# Altium PCB amp.PcbDoc (part 1 of 20)
Units mm, origin at the board's own origin, x right, y up, seen from the top; angles counter-clockwise.
Board outline 210 x 210 mm, 2 copper layers (Top Layer, Bottom Layer); 742 components, 1354 nets, 6402 pads, 5154 vias.
Unrouted connection lines stored in the file: 702.
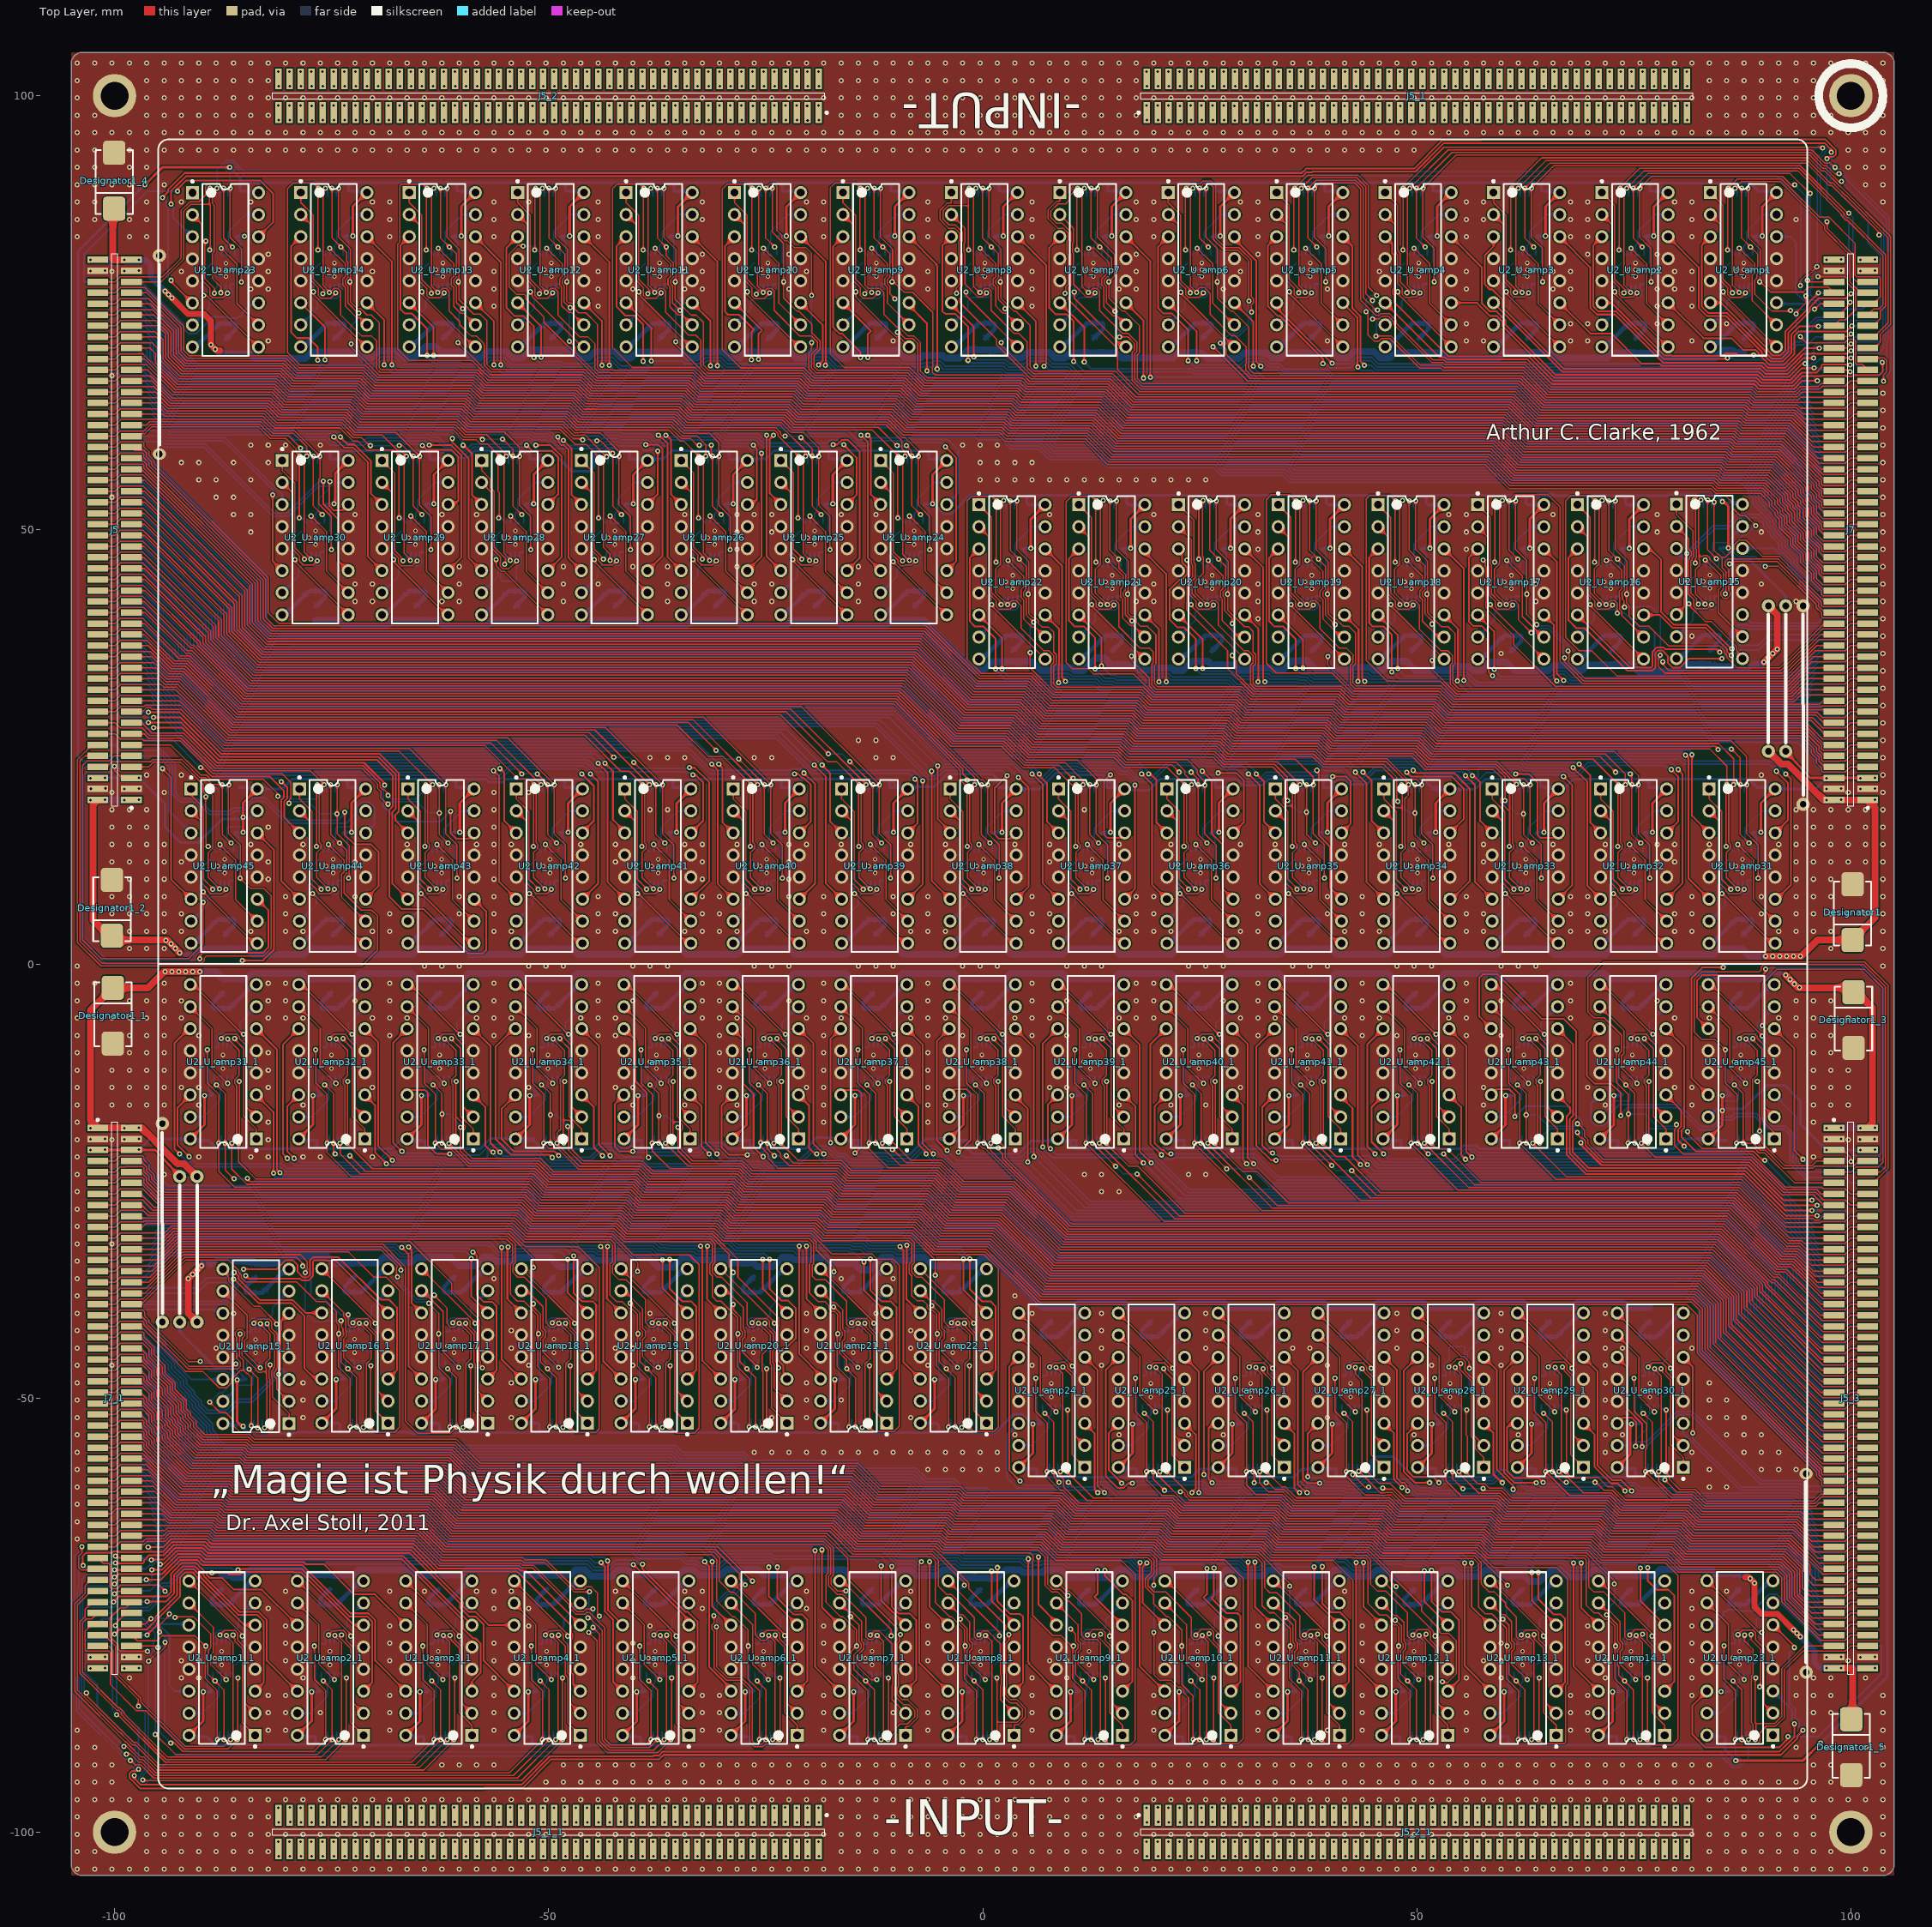
[diagram p0: Top Layer view]
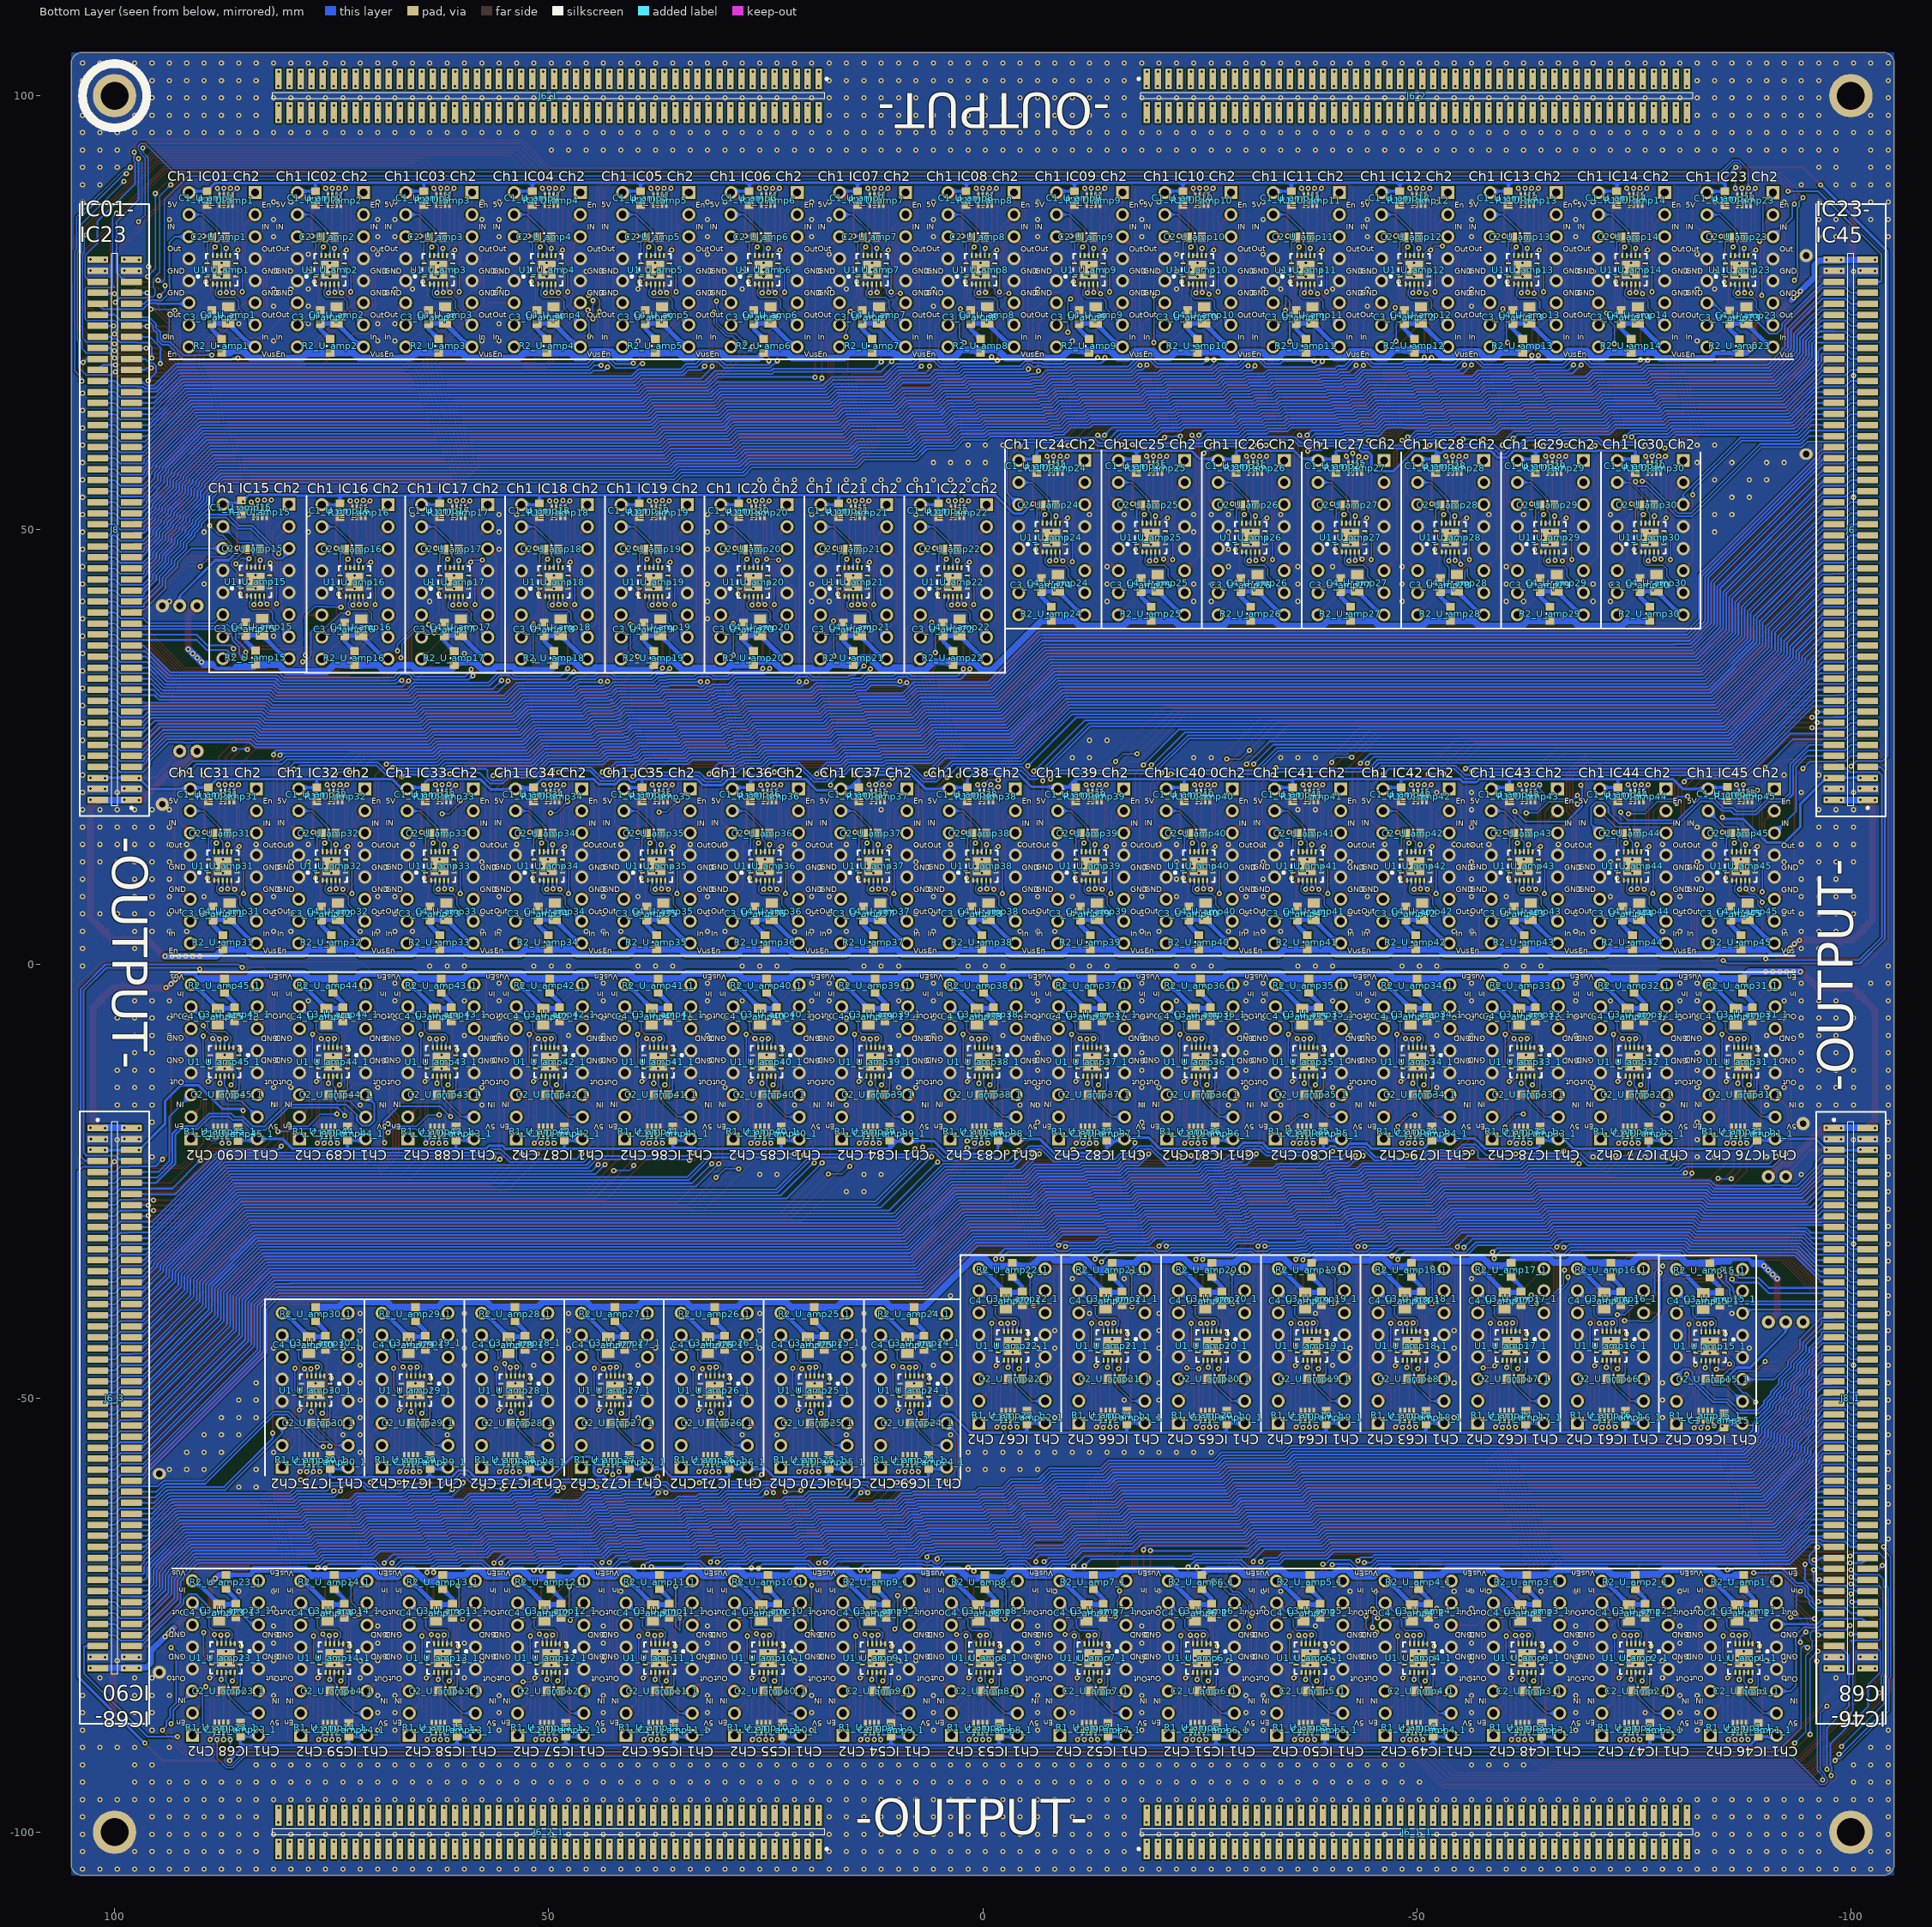
[diagram p1: Bottom Layer view, seen from below]

## Layer stack, top to bottom
Top Solder: solder mask 0.0102, Solder Resist, Dk 3.5
Top Layer: signal copper 0.0356
Dielectric 1: dielectric 0.32, FR-4, Dk 4.8
Bottom Layer: signal copper 0.0356
Bottom Solder: solder mask 0.0102, Solder Resist, Dk 3.5

## Board outline
-105,-103.73 -105,103.73 cw(c-103.73,103.73) -103.73,105 103.73,105 cw(c103.73,103.73) 105,103.73 105,-103.73 cw(c103.73,-103.73) 103.73,-105 -103.73,-105 cw(c-103.73,-103.73)

## Design rules (kind name [scope] priority, off if disabled: settings)
Clearance [All] p1: gap=0.15 ignorepadtopadclearanceinfootprint=FALSE
ComponentClearance [All] p1 off: gap=0.254 collisioncheckmode=3 verticalgap=0.254 showdistances=FALSE
PlaneConnect [All] p1: planeconnectstyle=Direct reliefexpansion=0.508 reliefentries=4 reliefconductorwidth=0.254 reliefairgap=0.254
PolygonConnect [All] p1: connectstyle=Direct reliefconductorwidth=0.254 reliefentries=4 polygonreliefangle="90 Angle" airgapwidth=0.15
RoomDefinition U_amp_45 [InComponentClass('U_amp2')] p1: confinementstyle=ConfineIn formatcopy=TRUE lockcomponents=FALSE outline -69.892,-69.106 -80.382,-69.106 -80.382,-91.007 -69.892,-91.007
RoomDefinition U_amp_44 [InComponentClass('U_amp3')] p2: confinementstyle=ConfineIn formatcopy=TRUE lockcomponents=FALSE outline -57.402,-69.106 -67.892,-69.106 -67.892,-91.007 -57.402,-91.007
RoomDefinition U_amp_43 [InComponentClass('U_amp4')] p3: confinementstyle=ConfineIn formatcopy=TRUE lockcomponents=FALSE outline -44.912,-69.106 -55.402,-69.106 -55.402,-91.007 -44.912,-91.007
RoomDefinition U_amp_42 [InComponentClass('U_amp5')] p4: confinementstyle=ConfineIn formatcopy=TRUE lockcomponents=FALSE outline -32.422,-69.106 -42.912,-69.106 -42.912,-91.007 -32.422,-91.007
RoomDefinition U_amp_41 [InComponentClass('U_amp6')] p5: confinementstyle=ConfineIn formatcopy=TRUE lockcomponents=FALSE outline -19.931,-69.106 -30.422,-69.106 -30.422,-91.007 -19.931,-91.007
RoomDefinition U_amp_40 [InComponentClass('U_amp7')] p6: confinementstyle=ConfineIn formatcopy=TRUE lockcomponents=FALSE outline -7.441,-69.106 -17.931,-69.106 -17.931,-91.007 -7.441,-91.007
RoomDefinition U_amp_39 [InComponentClass('U_amp8')] p7: confinementstyle=ConfineIn formatcopy=TRUE lockcomponents=FALSE outline 5.049,-69.106 -5.441,-69.106 -5.441,-91.007 5.049,-91.007
RoomDefinition U_amp_38 [InComponentClass('U_amp9')] p8: confinementstyle=ConfineIn formatcopy=TRUE lockcomponents=FALSE outline 17.539,-69.106 7.049,-69.106 7.049,-91.007 17.539,-91.007
RoomDefinition U_amp_37 [InComponentClass('U_amp10')] p9: confinementstyle=ConfineIn formatcopy=TRUE lockcomponents=FALSE outline 30.029,-69.106 19.539,-69.106 19.539,-91.007 30.029,-91.007
RoomDefinition U_amp_36 [InComponentClass('U_amp11')] p10: confinementstyle=ConfineIn formatcopy=TRUE lockcomponents=FALSE outline 42.52,-69.106 32.029,-69.106 32.029,-91.007 42.52,-91.007
RoomDefinition U_amp_35 [InComponentClass('U_amp12')] p11: confinementstyle=ConfineIn formatcopy=TRUE lockcomponents=FALSE outline 55.01,-69.106 44.52,-69.106 44.52,-91.007 55.01,-91.007
RoomDefinition U_amp_34 [InComponentClass('U_amp13')] p12: confinementstyle=ConfineIn formatcopy=TRUE lockcomponents=FALSE outline 67.5,-69.106 57.01,-69.106 57.01,-91.007 67.5,-91.007
RoomDefinition U_amp_33 [InComponentClass('U_amp14')] p13: confinementstyle=ConfineIn formatcopy=TRUE lockcomponents=FALSE outline 79.99,-69.106 69.5,-69.106 69.5,-91.007 79.99,-91.007
RoomDefinition U_amp_32 [InComponentClass('U_amp15')] p14: confinementstyle=ConfineIn formatcopy=TRUE lockcomponents=FALSE outline -78.47,-33.189 -88.961,-33.189 -88.961,-55.09 -78.47,-55.09
RoomDefinition U_amp_31 [InComponentClass('U_amp16')] p15: confinementstyle=ConfineIn formatcopy=TRUE lockcomponents=FALSE outline -67.072,-33.145 -77.562,-33.145 -77.562,-55.047 -67.072,-55.047
RoomDefinition U_amp_30 [InComponentClass('U_amp17')] p16: confinementstyle=ConfineIn formatcopy=TRUE lockcomponents=FALSE outline -55.582,-33.145 -66.072,-33.145 -66.072,-55.047 -55.582,-55.047
RoomDefinition U_amp_29 [InComponentClass('U_amp18')] p17: confinementstyle=ConfineIn formatcopy=TRUE lockcomponents=FALSE outline -44.092,-33.145 -54.582,-33.145 -54.582,-55.047 -44.092,-55.047
RoomDefinition U_amp_28 [InComponentClass('U_amp19')] p18: confinementstyle=ConfineIn formatcopy=TRUE lockcomponents=FALSE outline -32.602,-33.145 -43.092,-33.145 -43.092,-55.047 -32.602,-55.047
RoomDefinition U_amp_27 [InComponentClass('U_amp20')] p19: confinementstyle=ConfineIn formatcopy=TRUE lockcomponents=FALSE outline -21.111,-33.145 -31.602,-33.145 -31.602,-55.047 -21.111,-55.047
RoomDefinition U_amp_26 [InComponentClass('U_amp21')] p20: confinementstyle=ConfineIn formatcopy=TRUE lockcomponents=FALSE outline -9.621,-33.145 -20.111,-33.145 -20.111,-55.047 -9.621,-55.047
RoomDefinition U_amp_25 [InComponentClass('U_amp22')] p21: confinementstyle=ConfineIn formatcopy=TRUE lockcomponents=FALSE outline 1.869,-33.145 -8.621,-33.145 -8.621,-55.047 1.869,-55.047
RoomDefinition U_amp_24 [InComponentClass('U_amp23')] p22: confinementstyle=ConfineIn formatcopy=TRUE lockcomponents=FALSE outline 92.479,-69.085 81.989,-69.085 81.989,-90.987 92.479,-90.987
RoomDefinition U_amp_23 [InComponentClass('U_amp24')] p23: confinementstyle=ConfineIn formatcopy=TRUE lockcomponents=FALSE outline 13.195,-38.251 2.705,-38.251 2.705,-60.153 13.195,-60.153
RoomDefinition U_amp_22 [InComponentClass('U_amp25')] p24: confinementstyle=ConfineIn formatcopy=TRUE lockcomponents=FALSE outline 24.685,-38.251 14.195,-38.251 14.195,-60.153 24.685,-60.153
RoomDefinition U_amp_21 [InComponentClass('U_amp26')] p25: confinementstyle=ConfineIn formatcopy=TRUE lockcomponents=FALSE outline 36.175,-38.251 25.685,-38.251 25.685,-60.153 36.175,-60.153
RoomDefinition U_amp_20 [InComponentClass('U_amp27')] p26: confinementstyle=ConfineIn formatcopy=TRUE lockcomponents=FALSE outline 47.666,-38.251 37.175,-38.251 37.175,-60.153 47.666,-60.153
RoomDefinition U_amp_19 [InComponentClass('U_amp28')] p27: confinementstyle=ConfineIn formatcopy=TRUE lockcomponents=FALSE outline 59.156,-38.251 48.666,-38.251 48.666,-60.153 59.156,-60.153
RoomDefinition U_amp_18 [InComponentClass('U_amp29')] p28: confinementstyle=ConfineIn formatcopy=TRUE lockcomponents=FALSE outline 70.646,-38.251 60.156,-38.251 60.156,-60.153 70.646,-60.153
RoomDefinition U_amp_17 [InComponentClass('U_amp30')] p29: confinementstyle=ConfineIn formatcopy=TRUE lockcomponents=FALSE outline 82.136,-38.251 71.646,-38.251 71.646,-60.153 82.136,-60.153
RoomDefinition U_amp_16 [InComponentClass('U_amp31')] p30: confinementstyle=ConfineIn formatcopy=TRUE lockcomponents=FALSE outline -82.23,-0.418 -92.72,-0.418 -92.72,-22.32 -82.23,-22.32
RoomDefinition U_amp_15 [InComponentClass('U_amp32')] p31: confinementstyle=ConfineIn formatcopy=TRUE lockcomponents=FALSE outline -69.74,-0.418 -80.23,-0.418 -80.23,-22.32 -69.74,-22.32
RoomDefinition U_amp_14 [InComponentClass('U_amp33')] p32: confinementstyle=ConfineIn formatcopy=TRUE lockcomponents=FALSE outline -57.25,-0.418 -67.74,-0.418 -67.74,-22.32 -57.25,-22.32
RoomDefinition U_amp_13 [InComponentClass('U_amp34')] p33: confinementstyle=ConfineIn formatcopy=TRUE lockcomponents=FALSE outline -44.759,-0.418 -55.25,-0.418 -55.25,-22.32 -44.759,-22.32
RoomDefinition U_amp_12 [InComponentClass('U_amp35')] p34: confinementstyle=ConfineIn formatcopy=TRUE lockcomponents=FALSE outline -32.269,-0.418 -42.759,-0.418 -42.759,-22.32 -32.269,-22.32
RoomDefinition U_amp_11 [InComponentClass('U_amp36')] p35: confinementstyle=ConfineIn formatcopy=TRUE lockcomponents=FALSE outline -19.779,-0.418 -30.269,-0.418 -30.269,-22.32 -19.779,-22.32
RoomDefinition U_amp_10 [InComponentClass('U_amp37')] p36: confinementstyle=ConfineIn formatcopy=TRUE lockcomponents=FALSE outline -7.289,-0.418 -17.779,-0.418 -17.779,-22.32 -7.289,-22.32
RoomDefinition U_amp_9 [InComponentClass('U_amp38')] p37: confinementstyle=ConfineIn formatcopy=TRUE lockcomponents=FALSE outline 5.201,-0.418 -5.289,-0.418 -5.289,-22.32 5.201,-22.32
RoomDefinition U_amp_8 [InComponentClass('U_amp39')] p38: confinementstyle=ConfineIn formatcopy=TRUE lockcomponents=FALSE outline 17.692,-0.418 7.201,-0.418 7.201,-22.32 17.692,-22.32
RoomDefinition U_amp_7 [InComponentClass('U_amp40')] p39: confinementstyle=ConfineIn formatcopy=TRUE lockcomponents=FALSE outline 30.182,-0.418 19.692,-0.418 19.692,-22.32 30.182,-22.32
RoomDefinition U_amp_6 [InComponentClass('U_amp41')] p40: confinementstyle=ConfineIn formatcopy=TRUE lockcomponents=FALSE outline 42.672,-0.418 32.182,-0.418 32.182,-22.32 42.672,-22.32
RoomDefinition U_amp_5 [InComponentClass('U_amp42')] p41: confinementstyle=ConfineIn formatcopy=TRUE lockcomponents=FALSE outline 55.162,-0.418 44.672,-0.418 44.672,-22.32 55.162,-22.32
RoomDefinition U_amp_4 [InComponentClass('U_amp43')] p42: confinementstyle=ConfineIn formatcopy=TRUE lockcomponents=FALSE outline 67.652,-0.418 57.162,-0.418 57.162,-22.32 67.652,-22.32
RoomDefinition U_amp_3 [InComponentClass('U_amp44')] p43: confinementstyle=ConfineIn formatcopy=TRUE lockcomponents=FALSE outline 80.143,-0.418 69.652,-0.418 69.652,-22.32 80.143,-22.32
RoomDefinition U_amp_2 [InComponentClass('U_amp45')] p44: confinementstyle=ConfineIn formatcopy=TRUE lockcomponents=FALSE outline 92.633,-0.418 82.143,-0.418 82.143,-22.32 92.633,-22.32
RoomDefinition U_amp_1 [InComponentClass('U_amp1')] p45: confinementstyle=ConfineIn formatcopy=TRUE lockcomponents=FALSE outline -82.382,-69.106 -92.873,-69.106 -92.873,-91.007 -82.382,-91.007
RoomDefinition U_amp1 [InComponentClass('U_amp1')] p46: confinementstyle=ConfineIn formatcopy=FALSE lockcomponents=FALSE outline 82.382,69.106 92.873,69.106 92.873,91.007 82.382,91.007
RoomDefinition U_amp45 [InComponentClass('U_amp45')] p47: confinementstyle=ConfineIn formatcopy=FALSE lockcomponents=FALSE outline -92.633,0.418 -82.143,0.418 -82.143,22.32 -92.633,22.32
RoomDefinition U_amp44 [InComponentClass('U_amp44')] p48: confinementstyle=ConfineIn formatcopy=TRUE lockcomponents=FALSE outline -80.143,0.418 -69.652,0.418 -69.652,22.32 -80.143,22.32
RoomDefinition U_amp43 [InComponentClass('U_amp43')] p49: confinementstyle=ConfineIn formatcopy=TRUE lockcomponents=FALSE outline -67.652,0.418 -57.162,0.418 -57.162,22.32 -67.652,22.32
RoomDefinition U_amp42 [InComponentClass('U_amp42')] p50: confinementstyle=ConfineIn formatcopy=TRUE lockcomponents=FALSE outline -55.162,0.418 -44.672,0.418 -44.672,22.32 -55.162,22.32
RoomDefinition U_amp41 [InComponentClass('U_amp41')] p51: confinementstyle=ConfineIn formatcopy=TRUE lockcomponents=FALSE outline -42.672,0.418 -32.182,0.418 -32.182,22.32 -42.672,22.32
RoomDefinition U_amp40 [InComponentClass('U_amp40')] p52: confinementstyle=ConfineIn formatcopy=TRUE lockcomponents=FALSE outline -30.182,0.418 -19.692,0.418 -19.692,22.32 -30.182,22.32
RoomDefinition U_amp39 [InComponentClass('U_amp39')] p53: confinementstyle=ConfineIn formatcopy=TRUE lockcomponents=FALSE outline -17.692,0.418 -7.201,0.418 -7.201,22.32 -17.692,22.32
RoomDefinition U_amp38 [InComponentClass('U_amp38')] p54: confinementstyle=ConfineIn formatcopy=TRUE lockcomponents=FALSE outline -5.201,0.418 5.289,0.418 5.289,22.32 -5.201,22.32
RoomDefinition U_amp37 [InComponentClass('U_amp37')] p55: confinementstyle=ConfineIn formatcopy=TRUE lockcomponents=FALSE outline 7.289,0.418 17.779,0.418 17.779,22.32 7.289,22.32
RoomDefinition U_amp36 [InComponentClass('U_amp36')] p56: confinementstyle=ConfineIn formatcopy=TRUE lockcomponents=FALSE outline 19.779,0.418 30.269,0.418 30.269,22.32 19.779,22.32
RoomDefinition U_amp35 [InComponentClass('U_amp35')] p57: confinementstyle=ConfineIn formatcopy=TRUE lockcomponents=FALSE outline 32.269,0.418 42.759,0.418 42.759,22.32 32.269,22.32
RoomDefinition U_amp34 [InComponentClass('U_amp34')] p58: confinementstyle=ConfineIn formatcopy=TRUE lockcomponents=FALSE outline 44.759,0.418 55.25,0.418 55.25,22.32 44.759,22.32
RoomDefinition U_amp33 [InComponentClass('U_amp33')] p59: confinementstyle=ConfineIn formatcopy=TRUE lockcomponents=FALSE outline 57.25,0.418 67.74,0.418 67.74,22.32 57.25,22.32
RoomDefinition U_amp32 [InComponentClass('U_amp32')] p60: confinementstyle=ConfineIn formatcopy=TRUE lockcomponents=FALSE outline 69.74,0.418 80.23,0.418 80.23,22.32 69.74,22.32
RoomDefinition U_amp31 [InComponentClass('U_amp31')] p61: confinementstyle=ConfineIn formatcopy=TRUE lockcomponents=FALSE outline 82.23,0.418 92.72,0.418 92.72,22.32 82.23,22.32
RoomDefinition U_amp30 [InComponentClass('U_amp30')] p62: confinementstyle=ConfineIn formatcopy=FALSE lockcomponents=FALSE outline -82.136,38.251 -71.646,38.251 -71.646,60.153 -82.136,60.153
RoomDefinition U_amp29 [InComponentClass('U_amp29')] p63: confinementstyle=ConfineIn formatcopy=FALSE lockcomponents=FALSE outline -70.646,38.251 -60.156,38.251 -60.156,60.153 -70.646,60.153
RoomDefinition U_amp28 [InComponentClass('U_amp28')] p64: confinementstyle=ConfineIn formatcopy=FALSE lockcomponents=FALSE outline -59.156,38.251 -48.666,38.251 -48.666,60.153 -59.156,60.153
RoomDefinition U_amp27 [InComponentClass('U_amp27')] p65: confinementstyle=ConfineIn formatcopy=FALSE lockcomponents=FALSE outline -47.666,38.251 -37.175,38.251 -37.175,60.153 -47.666,60.153
RoomDefinition U_amp26 [InComponentClass('U_amp26')] p66: confinementstyle=ConfineIn formatcopy=FALSE lockcomponents=FALSE outline -36.175,38.251 -25.685,38.251 -25.685,60.153 -36.175,60.153
RoomDefinition U_amp25 [InComponentClass('U_amp25')] p67: confinementstyle=ConfineIn formatcopy=FALSE lockcomponents=FALSE outline -24.685,38.251 -14.195,38.251 -14.195,60.153 -24.685,60.153
RoomDefinition U_amp24 [InComponentClass('U_amp24')] p68: confinementstyle=ConfineIn formatcopy=FALSE lockcomponents=FALSE outline -13.195,38.251 -2.705,38.251 -2.705,60.153 -13.195,60.153
RoomDefinition U_amp23 [InComponentClass('U_amp23')] p69: confinementstyle=ConfineIn formatcopy=FALSE lockcomponents=FALSE outline -92.479,69.085 -81.989,69.085 -81.989,90.987 -92.479,90.987
RoomDefinition U_amp22 [InComponentClass('U_amp22')] p70: confinementstyle=ConfineIn formatcopy=FALSE lockcomponents=FALSE outline -1.869,33.145 8.621,33.145 8.621,55.047 -1.869,55.047
RoomDefinition U_amp21 [InComponentClass('U_amp21')] p71: confinementstyle=ConfineIn formatcopy=FALSE lockcomponents=FALSE outline 9.621,33.145 20.111,33.145 20.111,55.047 9.621,55.047
RoomDefinition U_amp20 [InComponentClass('U_amp20')] p72: confinementstyle=ConfineIn formatcopy=FALSE lockcomponents=FALSE outline 21.111,33.145 31.602,33.145 31.602,55.047 21.111,55.047
RoomDefinition U_amp19 [InComponentClass('U_amp19')] p73: confinementstyle=ConfineIn formatcopy=FALSE lockcomponents=FALSE outline 32.602,33.145 43.092,33.145 43.092,55.047 32.602,55.047
RoomDefinition U_amp18 [InComponentClass('U_amp18')] p74: confinementstyle=ConfineIn formatcopy=FALSE lockcomponents=FALSE outline 44.092,33.145 54.582,33.145 54.582,55.047 44.092,55.047
RoomDefinition U_amp17 [InComponentClass('U_amp17')] p75: confinementstyle=ConfineIn formatcopy=FALSE lockcomponents=FALSE outline 55.582,33.145 66.072,33.145 66.072,55.047 55.582,55.047
RoomDefinition U_amp16 [InComponentClass('U_amp16')] p76: confinementstyle=ConfineIn formatcopy=FALSE lockcomponents=FALSE outline 67.072,33.145 77.562,33.145 77.562,55.047 67.072,55.047
RoomDefinition U_amp15 [InComponentClass('U_amp15')] p77: confinementstyle=ConfineIn formatcopy=FALSE lockcomponents=FALSE outline 78.47,33.189 88.961,33.189 88.961,55.09 78.47,55.09
RoomDefinition U_amp14 [InComponentClass('U_amp14')] p78: confinementstyle=ConfineIn formatcopy=FALSE lockcomponents=FALSE outline -79.99,69.106 -69.5,69.106 -69.5,91.007 -79.99,91.007
RoomDefinition U_amp13 [InComponentClass('U_amp13')] p79: confinementstyle=ConfineIn formatcopy=FALSE lockcomponents=FALSE outline -67.5,69.106 -57.01,69.106 -57.01,91.007 -67.5,91.007
RoomDefinition U_amp12 [InComponentClass('U_amp12')] p80: confinementstyle=ConfineIn formatcopy=FALSE lockcomponents=FALSE outline -55.01,69.106 -44.52,69.106 -44.52,91.007 -55.01,91.007
RoomDefinition U_amp11 [InComponentClass('U_amp11')] p81: confinementstyle=ConfineIn formatcopy=FALSE lockcomponents=FALSE outline -42.52,69.106 -32.029,69.106 -32.029,91.007 -42.52,91.007